# Altium PCB STM32F103RCT6 Dev B'd Rev 2.0.PcbDoc (part 1 of 2)
Units mm, origin at the board's own origin, x right, y up, seen from the top; angles counter-clockwise.
Board outline 120 x 80 mm, 4 copper layers (Top Copper, Signal Layer 1, Signal Layer 2, Bottom Copper), stack 1.57 mm thick; 133 components, 125 nets, 536 pads, 517 vias.
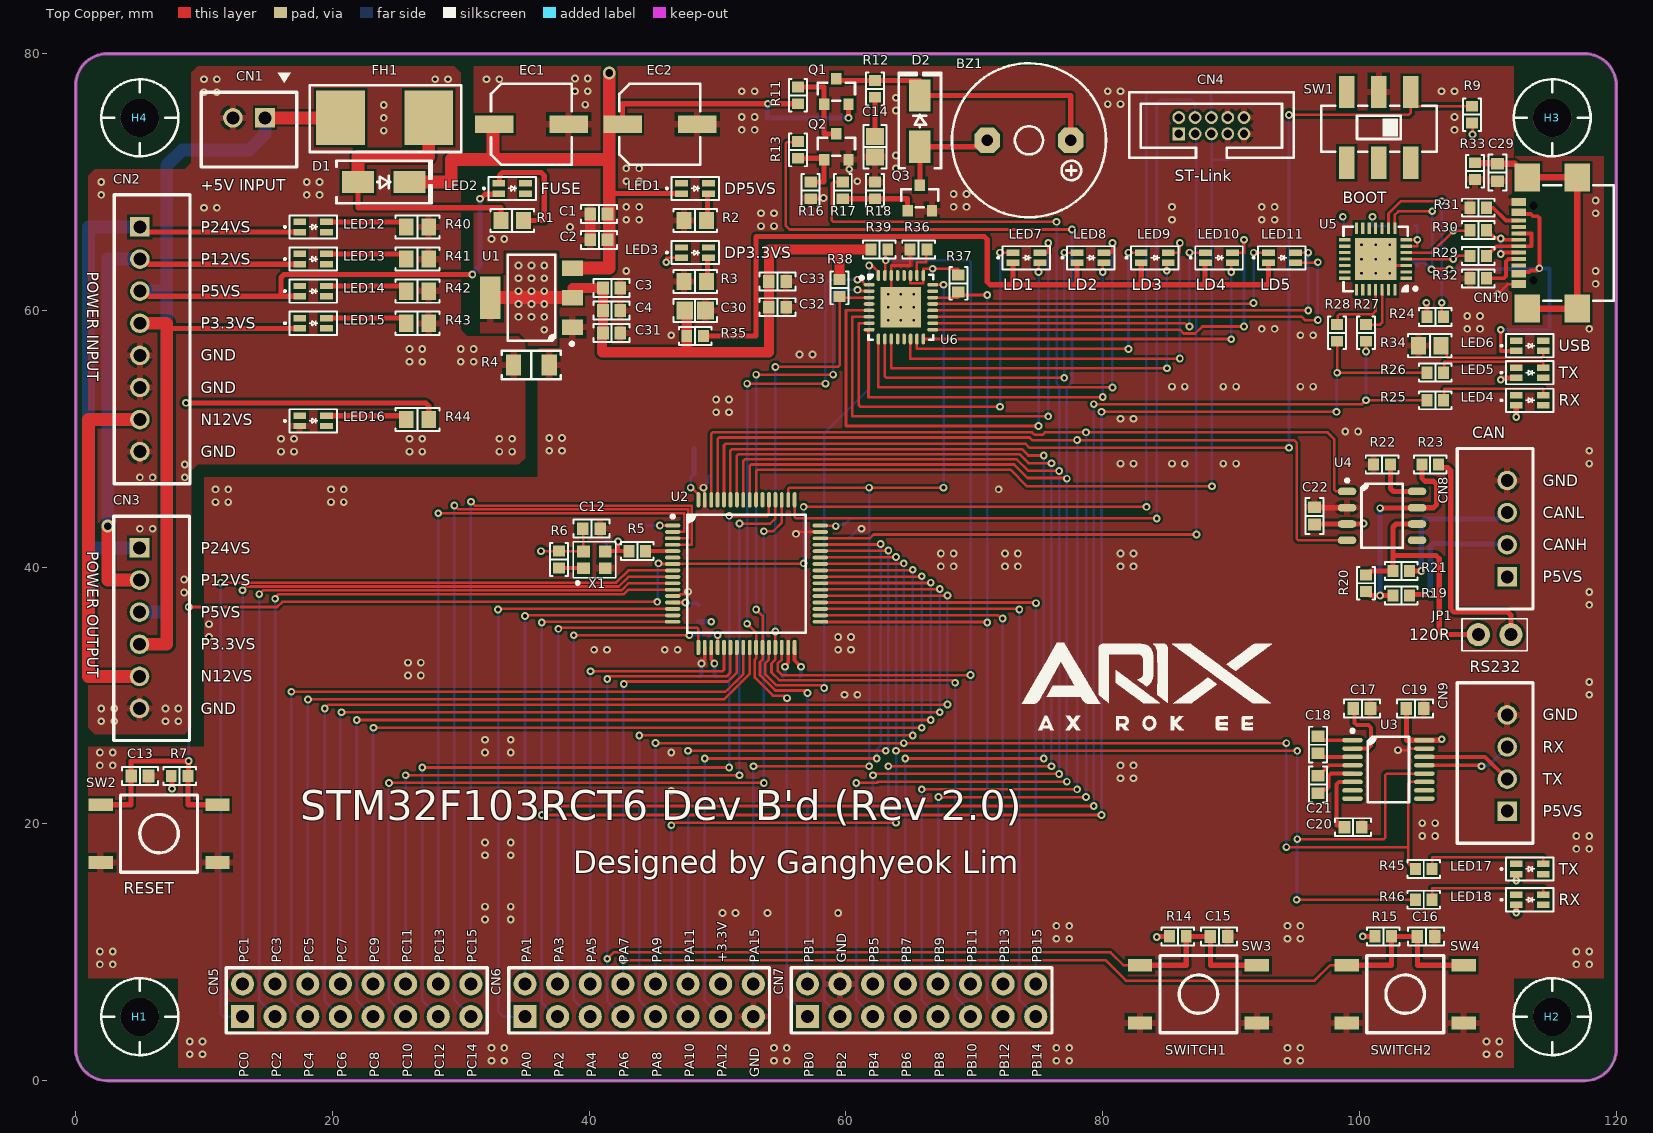
[diagram p0: Top Copper view]
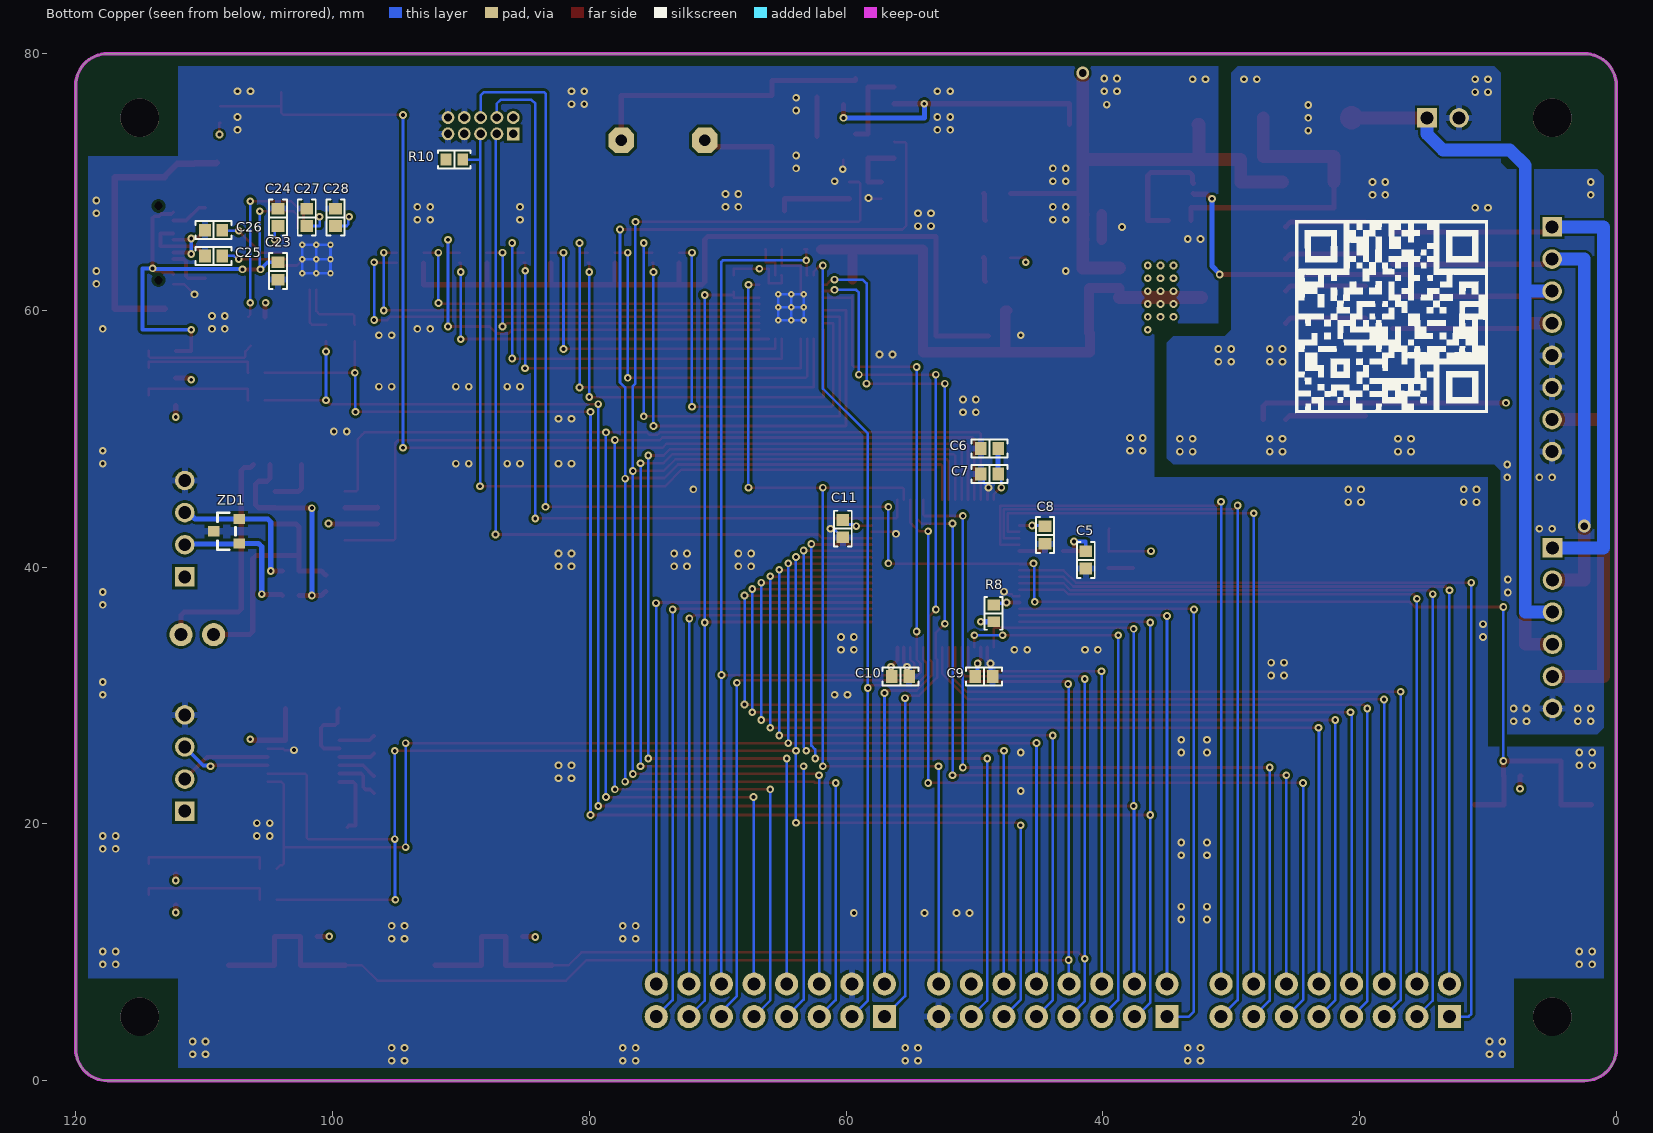
[diagram p1: Bottom Copper view, seen from below]
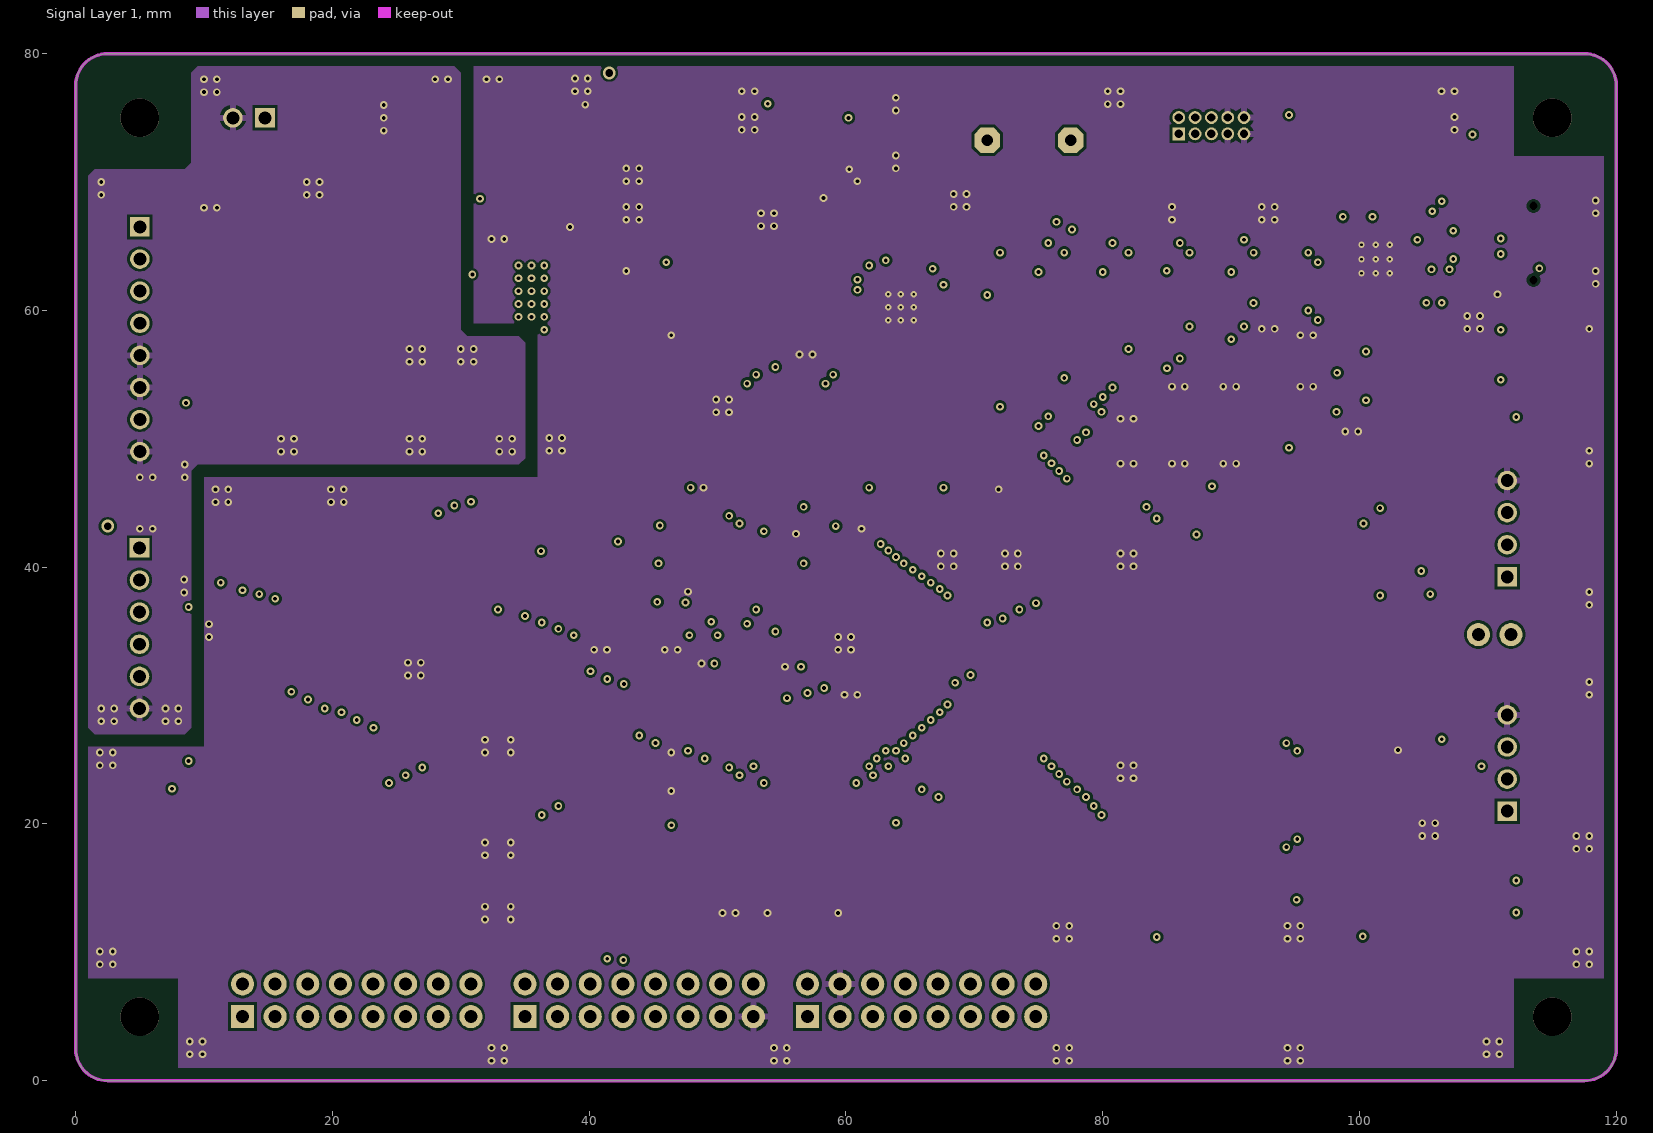
[diagram p2: Signal Layer 1]
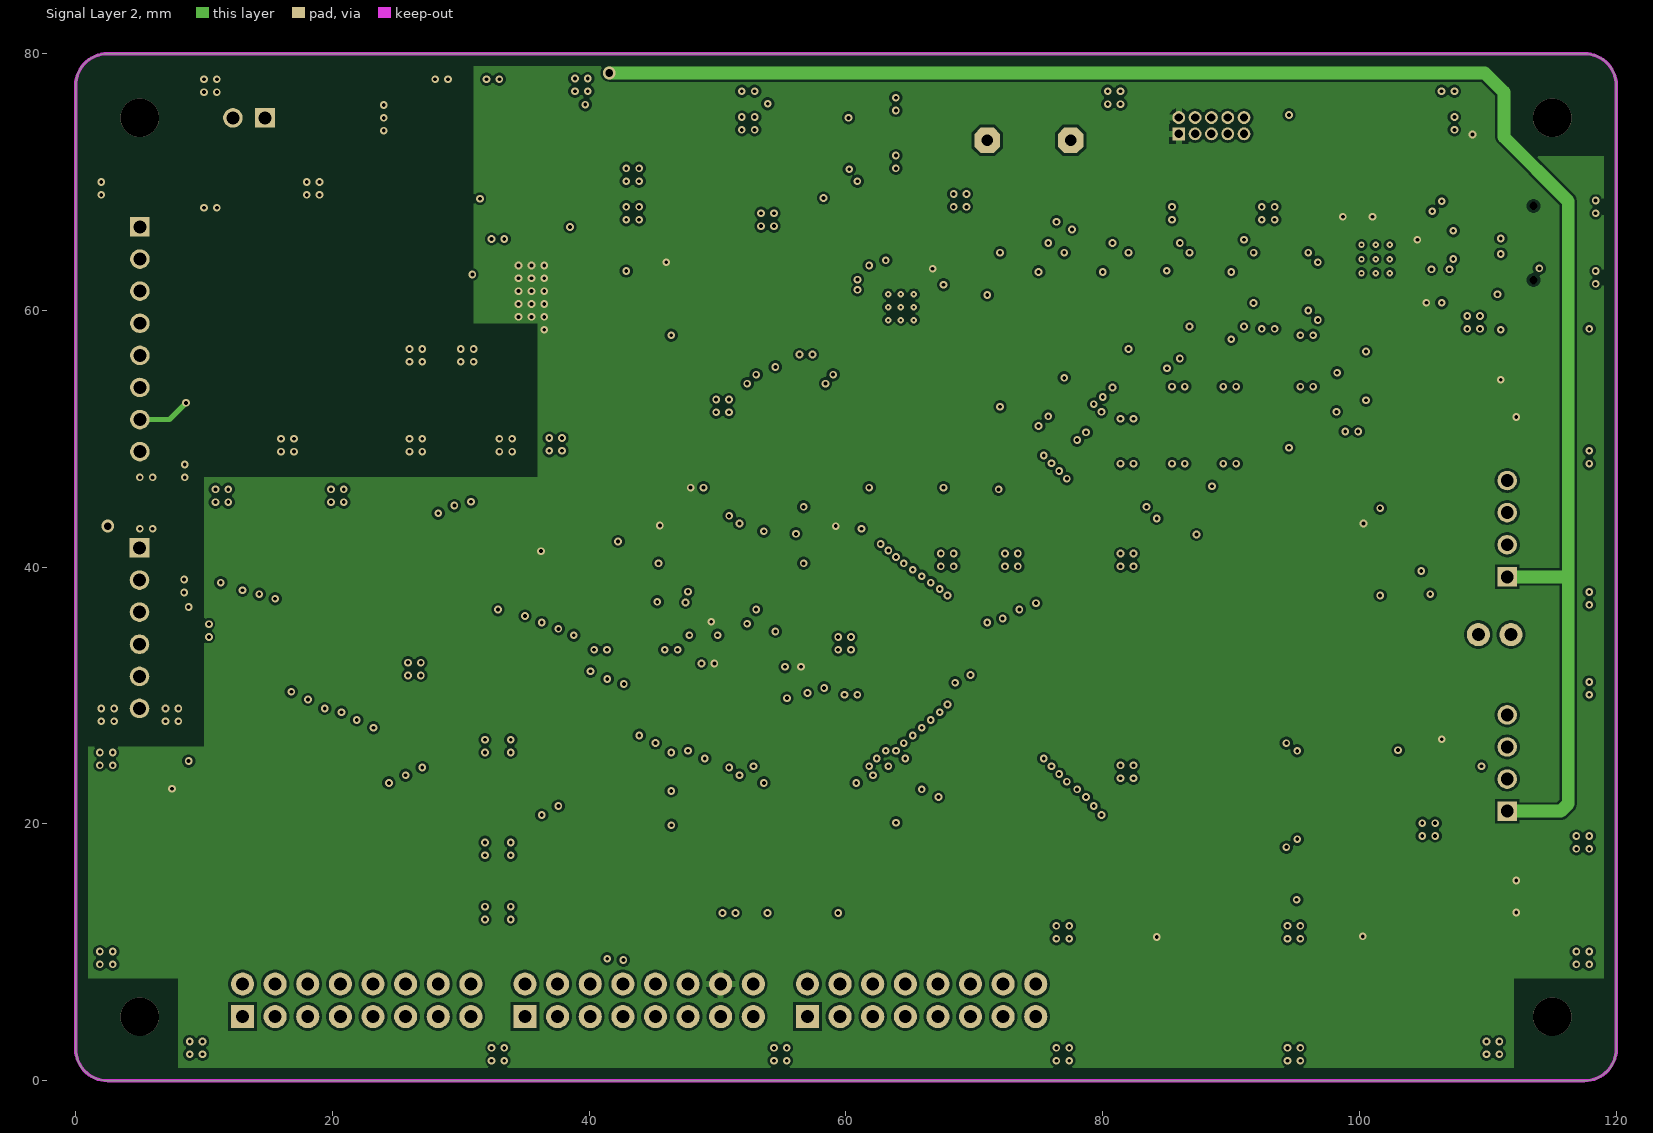
[diagram p3: Signal Layer 2]
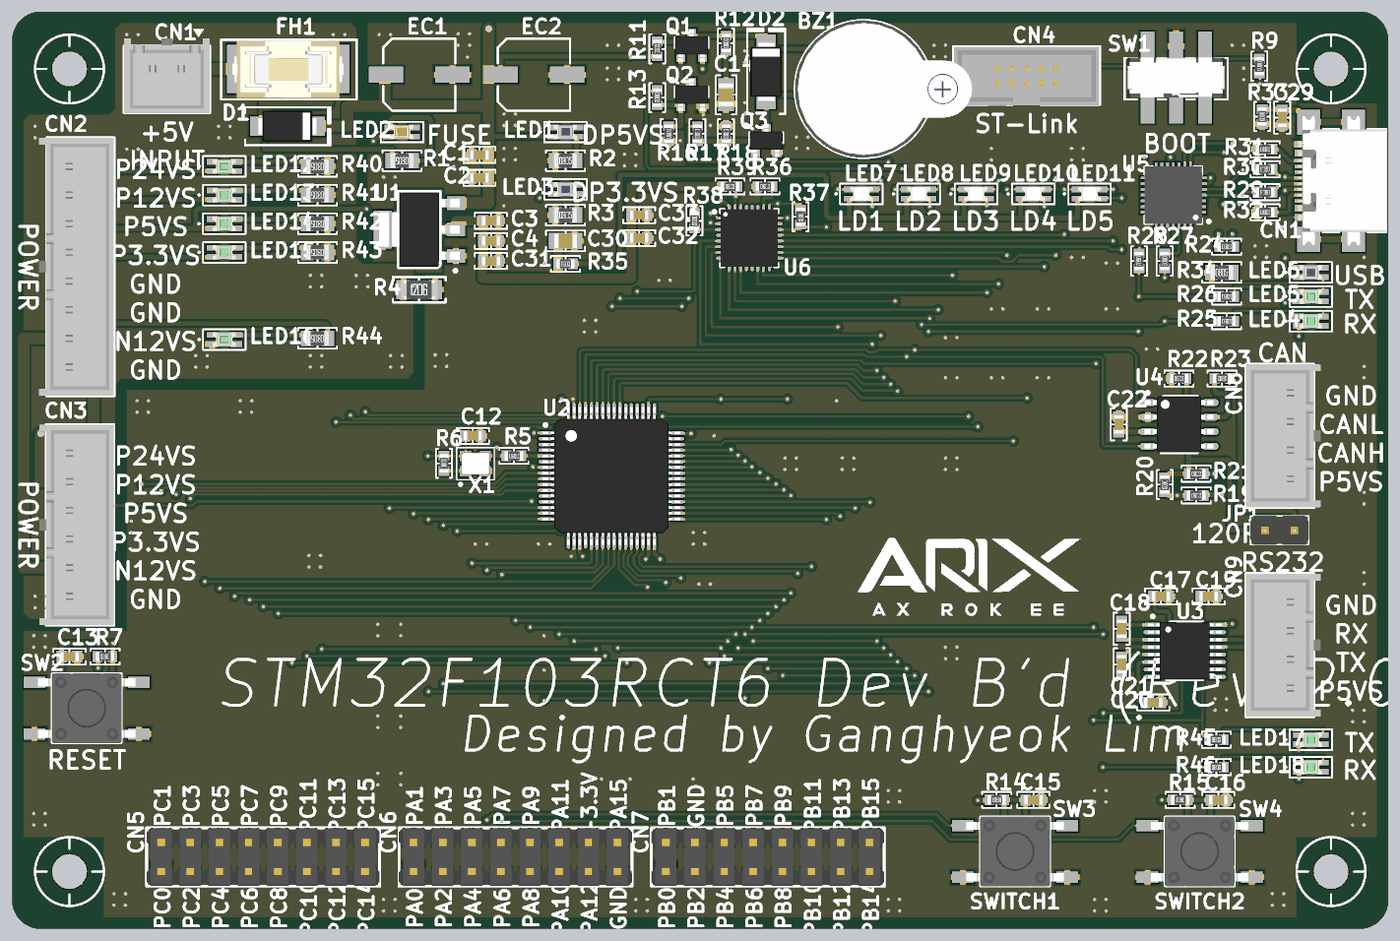
[diagram p5: 3D render of the assembled board from above, using the file's embedded part models]
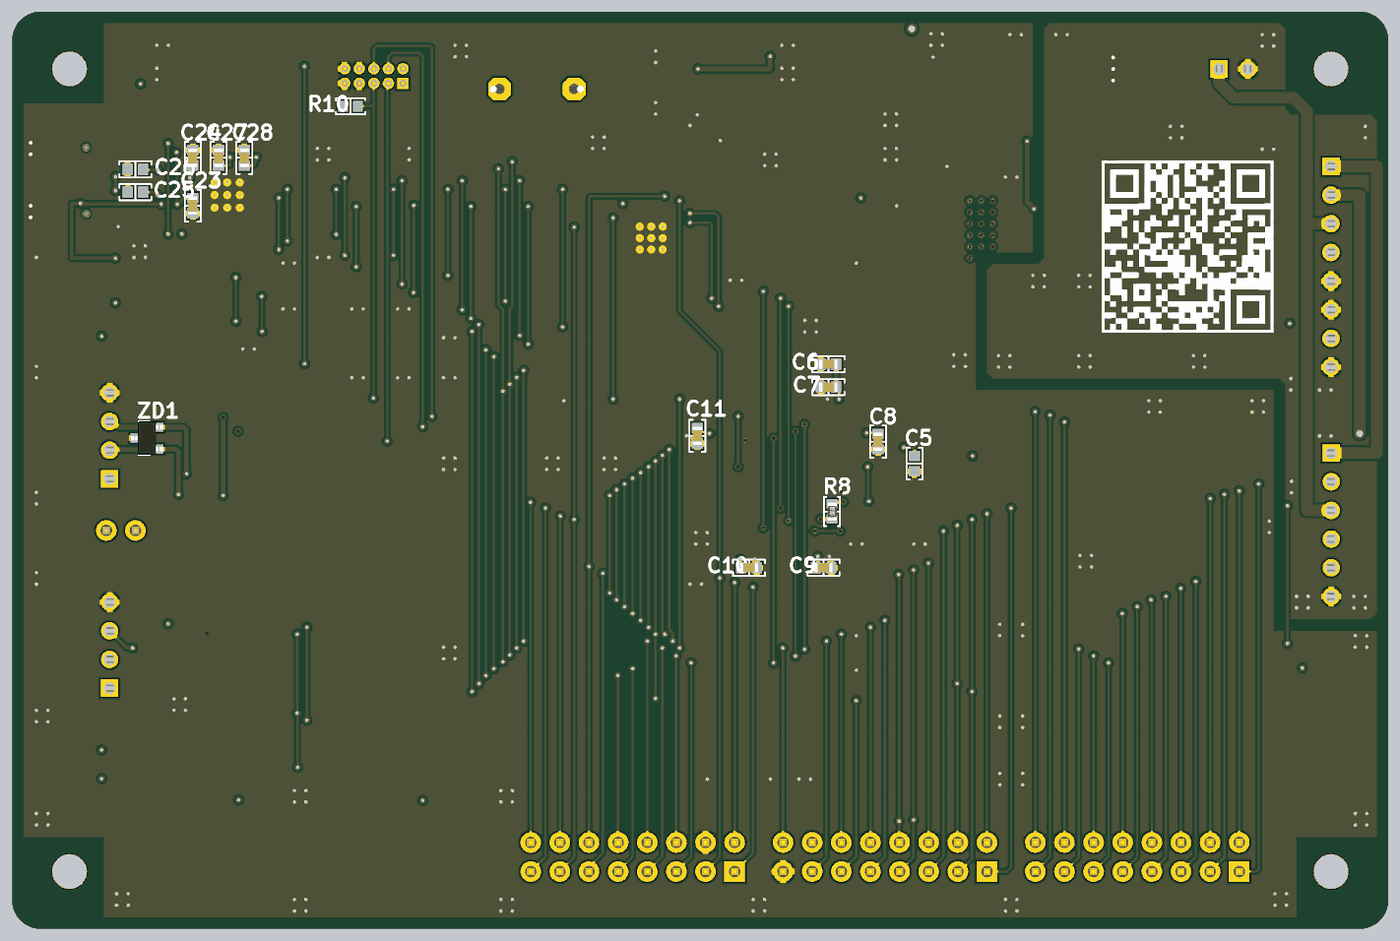
[diagram p6: 3D render of the assembled board from below, using the file's embedded part models]

## Layer stack, top to bottom
Top Mask: solder mask 0.015, Solder Resist, Dk 3.8
Top Copper: signal copper 0.035
Dielectric 1: prepreg 0.2, 7628, Dk 4.6
Signal Layer 1: signal copper 0.0175
Core: core 1.065, FR-4, Dk 4.5
Signal Layer 2: signal copper 0.0175
Dielectric 2: prepreg 0.2, 7628, Dk 4.6
Bottom Copper: signal copper 0.035
Bottom Mask: solder mask 0.015, Solder Resist, Dk 3.8

## Board outline
2.5,0 cw(c2.5,2.5) 0,2.5 0,77.5 cw(c2.5,77.5) 2.5,80 117.5,80 cw(c117.5,77.5) 120,77.5 120,2.5 cw(c117.5,2.5) 117.5,0

## Design rules (kind name [scope] priority, off if disabled: settings)
BoardOutlineClearance [All] p1: gap=0.2 ignorepadtopadclearanceinfootprint=FALSE except(0.4: Arc-SplitBarrior Arc-SplitContinuation Track-SplitBarrior Track-SplitContinuation SMDPad-SplitBarrior SMDPad-SplitContinuation THPad-SplitBarrior THPad-SplitContinuation Via-SplitBarrior Via-SplitContinuation Fill-SplitBarrior Fill-SplitContinuation Poly-SplitBarrior Poly-SplitContinuation Region-SplitBarrior Region-SplitContinuation Text-SplitBarrior Text-SplitContinuation)
Clearance "Clearance Bottom Layer" [OnLayer('Bottom Layer')] p1: gap=0.203 ignorepadtopadclearanceinfootprint=TRUE except(0.254: Arc-Text Track-Text SMDPad-Text THPad-Text Via-Text Fill-Text Poly-Text Region-Text Text-Text)
Clearance "Clearance Top Layer" [OnLayer('Top Layer')] p2: gap=0.203 ignorepadtopadclearanceinfootprint=TRUE except(0.254: Arc-Text Track-Text SMDPad-Text THPad-Text Via-Text Fill-Text Poly-Text Region-Text Text-Text)
Clearance [All] p3: gap=0.2 ignorepadtopadclearanceinfootprint=FALSE except(0.089: Arc-Arc Arc-Track Arc-SMDPad Track-Track Track-SMDPad SMDPad-SMDPad; 0.127: Arc-Via Track-Via SMDPad-Via THPad-Via Via-Via; 0.254: Arc-Text Track-Text SMDPad-Text THPad-Text Via-Text Fill-Text Poly-Text Region-Text Text-Text)
HoleSize [All] p1: absolutevalues=TRUE maxlimit=6.3 minlimit=0.2 maxpercent=80.000 minpercent=20.000
MinimumAnnularRing [All] p1: minimumring=0.076
MinimumSolderMaskSliver [All] p1: minsoldermaskwidth=0.1
PolygonConnect PolygonConnect_1 [All] p1: thpad.connectstyle=Relief thpad.reliefconductorwidth=0.508 thpad.reliefentries=4 thpad.polygonreliefangle="90 Angle" thpad.airgapwidth=0.254 smdpad.connectstyle=Relief smdpad.reliefconductorwidth=0.508 smdpad.reliefentries=4 smdpad.polygonreliefangle="90 Angle" smdpad.airgapwidth=0.254 via.connectstyle=Direct via.reliefconductorwidth=0.508 via.reliefentries=4 via.polygonreliefangle="90 Angle" via.airgapwidth=0.254
RoutingCorners [All] p1: cornerstyle=Round minsetback=2.54 maxsetback=2.54
RoutingVias [All] p1: holewidth=0.5 width=1 viastyle="Through Hole" minholewidth=0.2 minwidth=0.45 maxholewidth=1 maxwidth=2
SilkToSilkClearance [All] p1: silktosilkclearance=0.1
SilkToSolderMaskClearance [IsPad] p1: minsilkscreentomaskgap=0.1 clearancetoexposedcopper=TRUE
SolderMaskExpansion [All] p1: expansion=0.102 istentingtop=FALSE
Width [All] p1: maxlimit=2.54 minlimit=0.089 preferedwidth=0.381
25 further rules are at their usual default settings.

## Components (designator, comment, footprint, x,y, rotation, side; value= is the part's Value field where it differs from the comment)
BZ1 "FQ-036" "BUZ FQ-036" 74.25,73.25 r0 top
C1 "10uF/10V/1608" "CAP 1608 (0603_INCH)" 40.75,67.5 r0 top
C2 "100nF/50V/1608" "CAP 1608 (0603_INCH)" 40.75,65.5 r0 top
C3 "100nF/50V/1608" "CAP 1608 (0603_INCH)" 41.75,61.75 r180 top
C4 "10uF/10V/1608" "CAP 1608 (0603_INCH)" 41.75,60 r180 top
C5 "15pF/50V/1608/NC" "CAP 1608 (0603_INCH)/NC" 41.325,40.575 r90 bottom
C6 "10uF/10V/1608" "CAP 1608 (0603_INCH)" 48.825,49.25 r180 bottom
C7 "2.2uF/16V/1608" "CAP 1608 (0603_INCH)" 48.825,47.25 r180 bottom
C8 "100nF/50V/1608" "CAP 1608 (0603_INCH)" 44.5,42.5 r90 bottom
C9 "100nF/50V/1608" "CAP 1608 (0603_INCH)" 49.25,31.5 r0 bottom
C10 "100nF/50V/1608" "CAP 1608 (0603_INCH)" 55.75,31.5 r0 bottom
C11 "100nF/50V/1608" "CAP 1608 (0603_INCH)" 60.25,43 r90 bottom
C12 "100nF/50V/1608" "CAP 1608 (0603_INCH)" 40.175,43 r180 top
C13 "100nF/50V/1608" "CAP 1608 (0603_INCH)" 5,23.75 r180 top
C14 "22uF/25V/2012" "CAP 2012 (0805_INCH)" 62.25,72.742 r90 top
C15 "100nF/50V/1608" "CAP 1608 (0603_INCH)" 89.05,11.25 r180 top
C16 "100nF/50V/1608" "CAP 1608 (0603_INCH)" 105.175,11.25 r180 top
C17 "100nF/50V/1608" "CAP 1608 (0603_INCH)" 100.175,29 r0 top
C18 "100nF/50V/1608" "CAP 1608 (0603_INCH)" 96.75,26.175 r90 top
C19 "100nF/50V/1608" "CAP 1608 (0603_INCH)" 104.325,29 r180 top
C20 "100nF/50V/1608" "CAP 1608 (0603_INCH)" 99.5,19.75 r0 top
C21 "100nF/50V/1608" "CAP 1608 (0603_INCH)" 96.75,23.075 r90 top
C22 "100nF/50V/1608" "CAP 1608 (0603_INCH)" 96.5,44 r270 top
C23 "1uF/50V/1608" "CAP 1608 (0603_INCH)" 104.25,63.075 r90 bottom
C24 "2.2uF/16V/1608" "CAP 1608 (0603_INCH)" 104.25,67.25 r90 bottom
C25 "15pF/16V/1608/NC" "CAP 1608 (0603_INCH)/NC" 109.25,64.25 r180 bottom
C26 "15pF/16V/1608/NC" "CAP 1608 (0603_INCH)/NC" 109.25,66.25 r180 bottom
C27 "1uF/50V/1608" "CAP 1608 (0603_INCH)" 102,67.25 r270 bottom
C28 "100nF/50V/1608" "CAP 1608 (0603_INCH)" 99.75,67.25 r270 bottom
C29 "100nF/50V/1608" "CAP 1608 (0603_INCH)" 110.75,70.75 r270 top
C30 "10uF/35V/2012" "CAP 2012 (0805_INCH)" 48.25,60 r0 top
C31 "100nF/50V/1608" "CAP 1608 (0603_INCH)" 41.75,58.25 r180 top
C32 "1uF/50V/1608" "CAP 1608 (0603_INCH)" 54.675,60.25 r180 top
C33 "100nF/50V/1608" "CAP 1608 (0603_INCH)" 54.675,62.25 r180 top
CN1 "0353120260" "CON 0353120260 (MOLEX)" 13.5,75 r180 top
CN2 "0353120860" "CON 0353120860 (MOLEX)" 5,57.75 r270 top
CN3 "0353120660" "CON 0353120660 (MOLEX)" 4.975,35.25 r270 top
CN4 "3220-10-0100-00" "CON 3220-10-0100-00" 88.46,74.385 r0 top
CN5 "DUAL_2x8PIN(2.54MM)" "CON PIN_HEADER_DUAL_2x8PIN(2.54MM)" 13,5 r0 top
CN6 "DUAL_2x8PIN(2.54MM)" "CON PIN_HEADER_DUAL_2x8PIN(2.54MM)" 35,5 r0 top
CN7 "DUAL_2x8PIN(2.54MM)" "CON PIN_HEADER_DUAL_2x8PIN(2.54MM)" 57,5 r0 top
CN8 "0353120460" "CON 0353120460 (MOLEX)" 111.5,43 r90 top
CN9 "0353120460" "CON 0353120460 (MOLEX)" 111.5,24.75 r90 top
CN10 "MC-311S" "CON USB-Type-C (16P)" 115,65.25 r90 top
D1 "SS13" "DIO DO-214AC (SMA)" 24,70 r0 top
D2 "M7" "DIO DO-214AC (SMA)" 65.75,74.75 r90 top
EC1 "100uF/25V/6.3Øx7.7" "CAP ALSMD 6.3MM H8.0MM" 35.5,74.5 r0 top
EC2 "100uF/25V/6.3Øx7.7" "CAP ALSMD 6.3MM H8.0MM" 45.5,74.5 r0 top
FH1 "01550900M" "FUSE 01550900M_SMD" 20.642,75.008 r0 top
H1 "NTH-3MM" "HOLE NTH-3MM" 5,5 r0 top locked
H2 "NTH-3MM" "HOLE NTH-3MM" 115,5 r0 top locked
H3 "NTH-3MM" "HOLE NTH-3MM" 115,75 r0 top locked
H4 "NTH-3MM" "HOLE NTH-3MM" 5,75 r0 top locked
JP1 "JP-2P" "CON PIN_HEADER-2PIN(2.54MM)" 111.79,34.75 r180 top
LED1 "BLUE/2012" "LED MHT170RGBCT (BLUE)" 48.25,69.5 r0 top
LED2 "RED/2012" "LED MHT170RGBCT (RED)" 34,69.5 r0 top
LED3 "BLUE/2012" "LED MHT170RGBCT (BLUE)" 48.25,64.5 r0 top
LED4 "GREEN/2012" "LED MHT170RGBCT (GREEN)" 113.25,53 r0 top
LED5 "GREEN/2012" "LED MHT170RGBCT (GREEN)" 113.25,55.15 r0 top
LED6 "BLUE/2012" "LED MHT170RGBCT (BLUE)" 113.25,57.25 r0 top
LED7 "RGB/2012" "LED MHT170RGBCT" 74.05,64.1 r0 top
LED8 "RGB/2012" "LED MHT170RGBCT" 79.05,64.1 r0 top
LED9 "RGB/2012" "LED MHT170RGBCT" 84.05,64.1 r0 top
LED10 "RGB/2012" "LED MHT170RGBCT" 89.05,64.1 r0 top
LED11 "RGB/2012" "LED MHT170RGBCT" 93.95,64.1 r0 top
LED12 "GREEN/2012" "LED MHT170RGBCT (GREEN)" 18.5,66.5 r0 top
LED13 "GREEN/2012" "LED MHT170RGBCT (GREEN)" 18.5,64 r0 top
LED14 "GREEN/2012" "LED MHT170RGBCT (GREEN)" 18.5,61.5 r0 top
LED15 "GREEN/2012" "LED MHT170RGBCT (GREEN)" 18.5,59 r0 top
LED16 "GREEN/2012" "LED MHT170RGBCT (GREEN)" 18.5,51.4 r0 top
LED17 "GREEN/2012" "LED MHT170RGBCT (GREEN)" 113.25,16.5 r0 top